# Allegro board LAY-29615_B4.brd (continued)
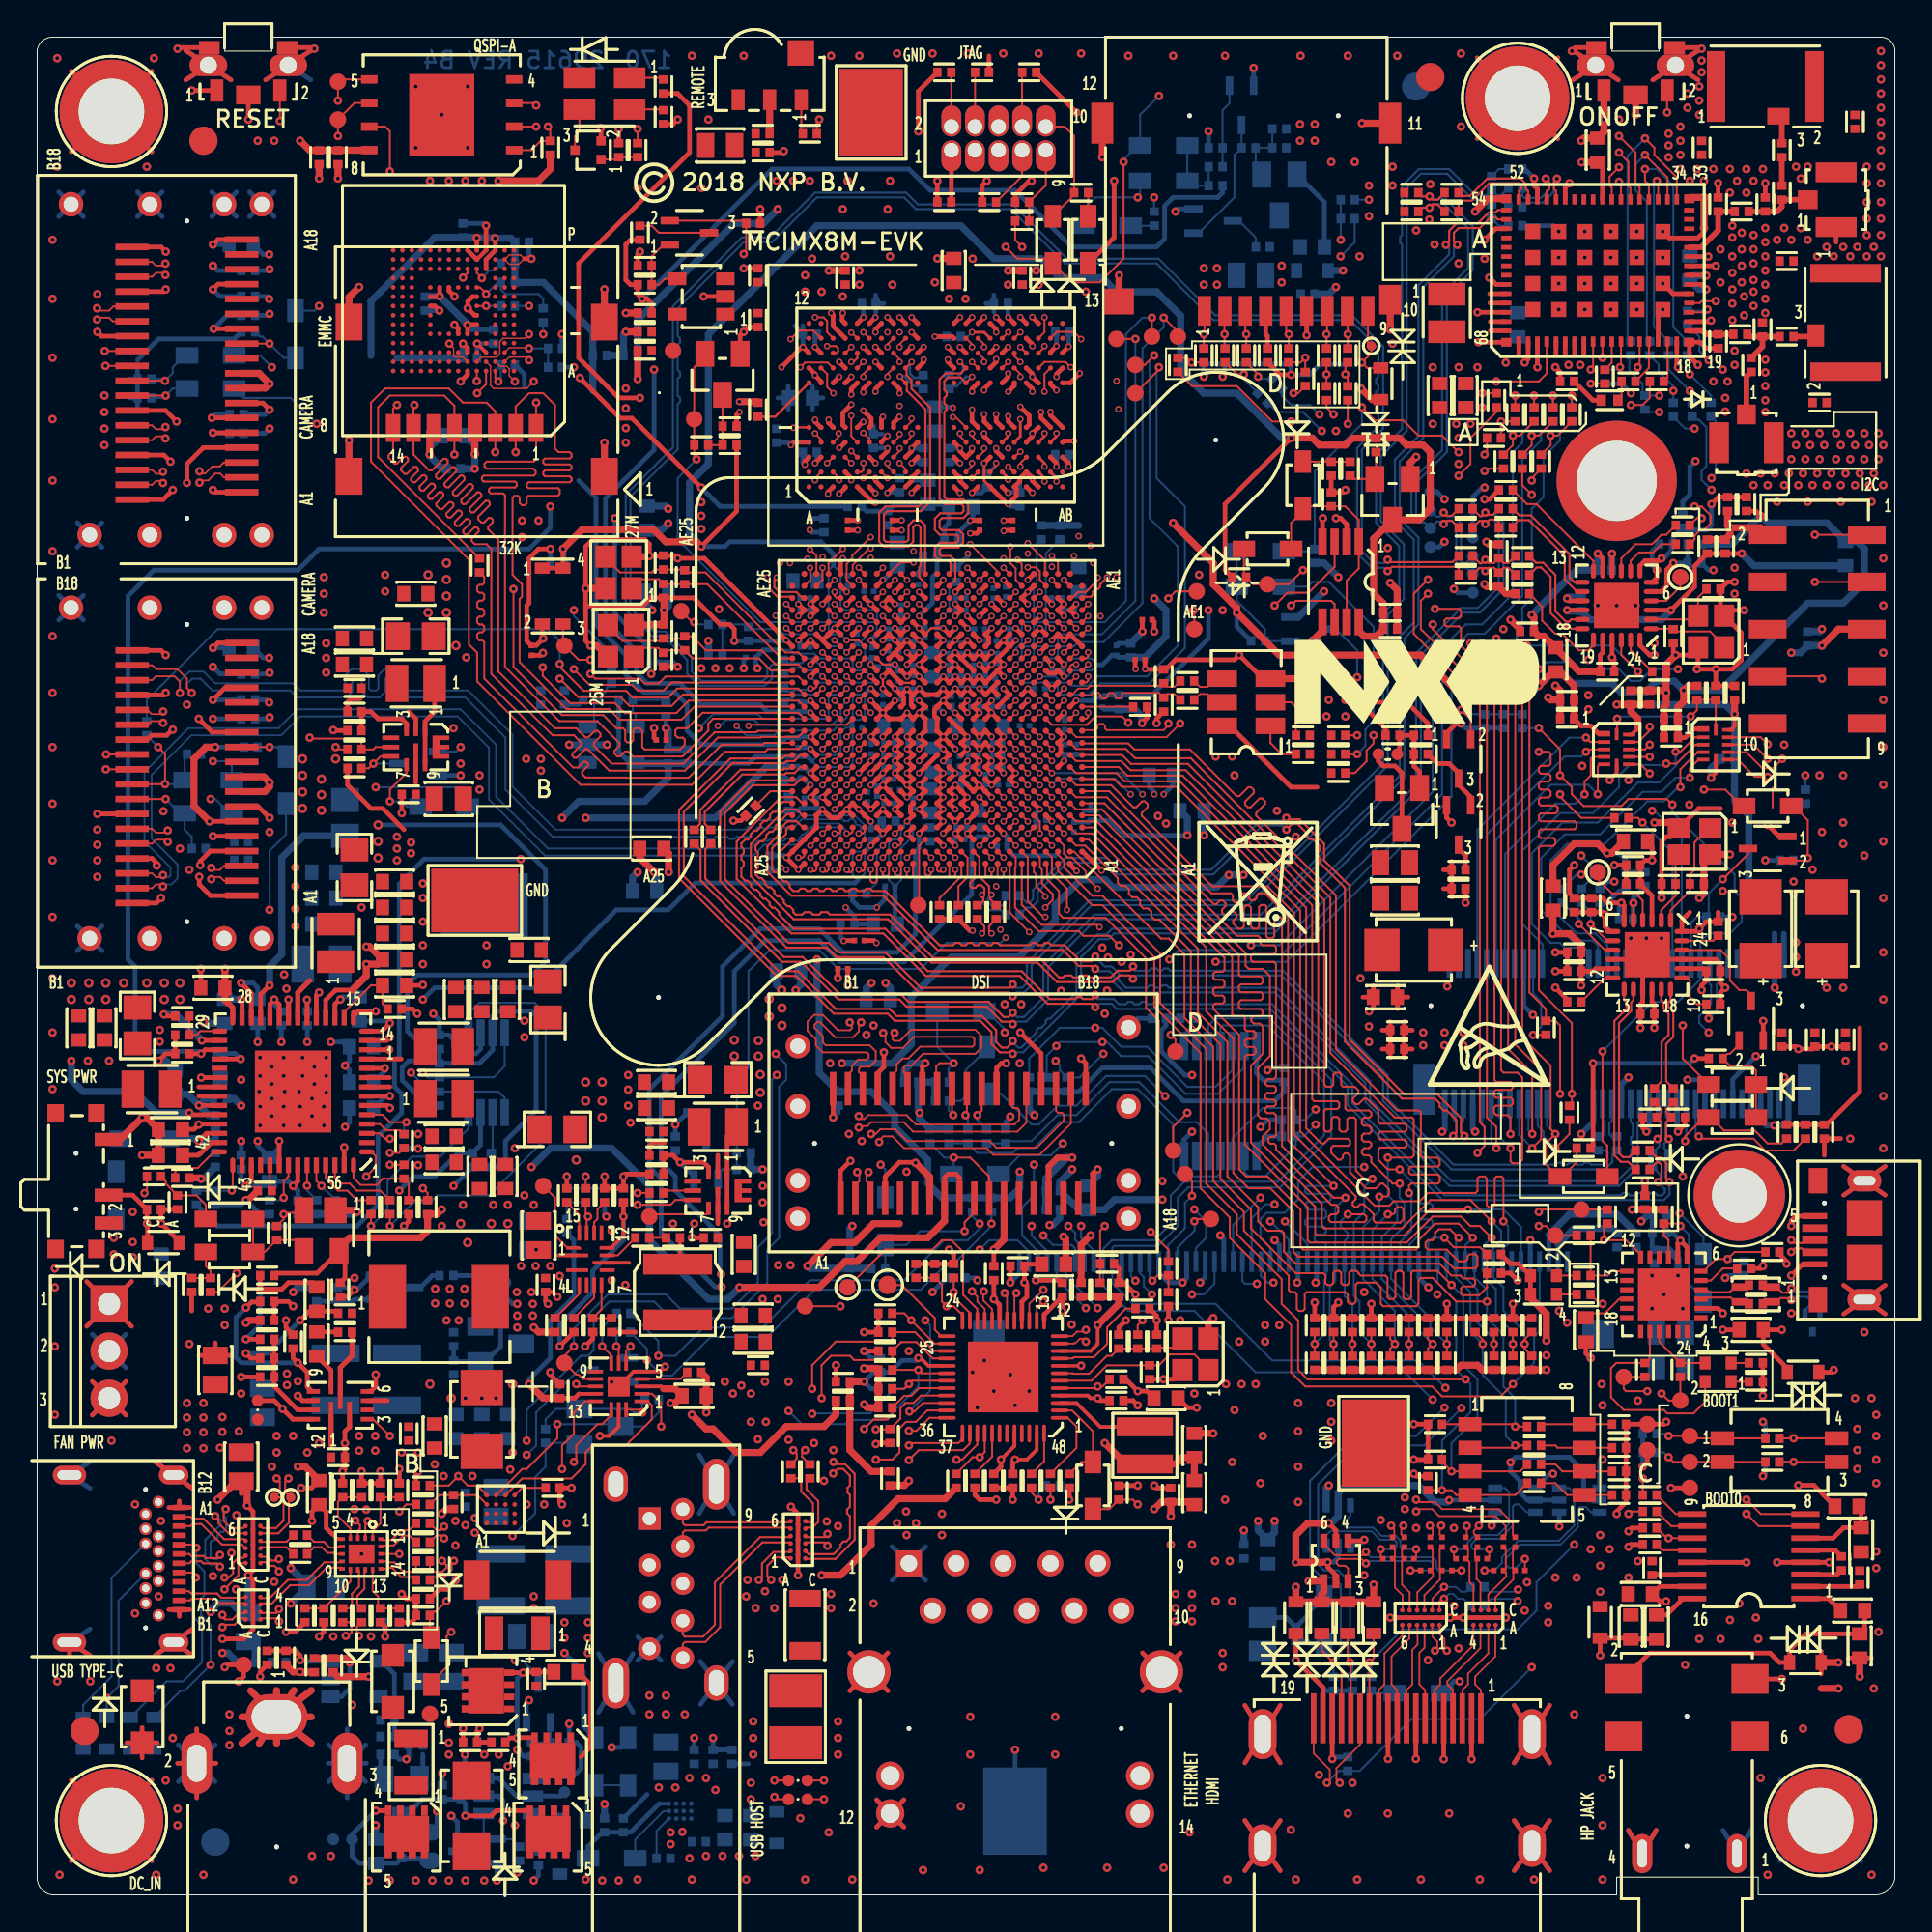
[diagram p0: board, top side]
## Routing (per net, layer and track width the routed paths; a pad name or vN(x,y) marks a point on that pad's centre or on a via; arc(x,y) is an arc through that point) (continued)
  TOP w0.107: R716.2 13.27,36.38 v1(13.27,36.64) 13.36,36.72 14.23,36.72 U704.2 ; v1(14.67,62.29) 14.72,62.24 17.26,62.24 17.46,62.05 R754.2 18.1,61.66 18.22,61.78 U705.5
  L6_INT_2 w0.076: v1(13.27,36.64) 13.27,36.89 9.84,40.32 9.84,46.16 10.6,46.93 12.89,46.93 14.03,48.07 14.03,48.7 15.3,49.97 15.3,56.07 14.79,56.58 14.79,62.17 v1(14.67,62.29)
N103653503: length 2.5
  TOP w0.107: R717.1 C726.2 9.33,33.59 9.08,33.84 D702.C
N103653528: length 3.9
  TOP w0.107: R713.2 6.92,38.41 6.92,38.28 C721.1 8.58,37.65 9.08,37.15 D701.C
N103709276: length 9.4
  BOTTOM w0.254: R761.1 23.81,33.34 C781.2 24.19,32.45 24.95,31.69 24.95,29.53 24.13,28.7 Q701.1 22.47,28.7 C799.2 R712.2
N103766552: length 21.2
  TOP w0.107: v1(86.8,60.36) 86.31,60.86 U1402.7 ; R1445.1 79.95,75.88 v1(80.45,75.37)
  L8_INT_3 w0.076: v1(86.8,60.36) 87.26,60.82 87.26,65.9 86.55,66.61 86.55,68.01 85.53,69.02 85.53,69.66 84.26,70.93 83.88,70.93 80.45,74.36 v1(80.45,75.37)
N103766554: length 20.7
  TOP w0.107: v1(86.8,61.91) 86.55,61.66 U1402.9 ; v1(77.91,76.64) 78.05,76.78 R1443.1
  L8_INT_3 w0.076: v1(77.91,76.64) 79.44,75.12 79.44,74.04 83.5,69.97 83.5,69.28 85.69,67.09 85.69,65.44 86.3,64.83 86.3,62.42 v1(86.8,61.91)
N103766556: length 23.5
  TOP w0.107: U1402.8 v1(86.8,61.26) ; R1444.1 78.05,77.67 v1(77.91,77.53)
  L8_INT_3 w0.076: v1(86.8,61.26) 85.97,62.09 85.97,64.53 85.28,65.21 85.28,66.86 83.12,69.02 83.12,69.79 79.56,73.34 77.79,73.34 77.41,73.72 77.41,77.02 v1(77.91,77.53)
N103766558: length 18.7
  TOP w0.107: v1(80.45,76.14) 80.45,76.26 80.96,76.77 R1442.1 ; v1(86.8,62.88) 86.8,62.67 86.19,62.06 U1402.10
  L8_INT_3 w0.076: v1(86.8,62.88) 86.8,65.85 86.12,66.53 86.12,67.42 84.52,69.02 84.52,69.66 79.95,74.23 79.95,75.63 v1(80.45,76.14)
N103794018: length 4.2
  TOP w0.107: J1502.A11 v1(12.51,83.51)
  BOTTOM w0.107: R1505.2 11.99,83.88 12.13,83.88 v1(12.51,83.51) 13.27,82.74 D1503.A
N103794466: length 4.5
  TOP w0.107: J1502.B9 v1(6.89,81.51)
  BOTTOM w0.107: R1507.2 6.79,81.6 v1(6.89,81.51) 7.3,81.92 7.3,82.23 7.94,82.87 D1506.A
N103794467: length 3.9
  TOP w0.107: J1502.B8 v1(6.92,80.7)
  BOTTOM w0.107: R1506.2 6.79,80.58 v1(6.92,80.7) 7.3,81.09 D1502.A
N103805249: length 7.5
  TOP w0.107: v1(6.52,61.79) 6.89,61.42 v1(6.89,59.79) J1503.B9
  BOTTOM w0.107: v1(6.89,59.79) 7.85,59.79 7.94,59.88 D1507.A 7.94,61.27 R1510.2 ; v1(6.52,61.79) 5.9,62.4 R1530.1
N103805251: length 5.2
  TOP w0.107: J1503.B8 v1(6.92,58.99)
  BOTTOM w0.107: v1(6.92,58.99) 7.68,58.23 D1505.A 7.94,57.34 8.32,56.95 R1509.2
N103805253: length 3.2
  TOP w0.107: J1503.A11 v1(12.51,61.79)
  BOTTOM w0.107: R1508.2 12.5,61.78 v1(12.51,61.79) 12.89,61.79 D1504.A
N103823981: length 24.4
  TOP w0.107: U1403.9 92.39,61.91 v1(93.15,61.15)
  L8_INT_3 w0.076: v1(93.15,61.15) 92.39,61.91 92.39,67.37 89.34,70.42 89.34,72.07 88.71,72.71 88.71,74.87 88.84,74.99 88.84,78.29 v1(87.31,79.82)
  BOTTOM w0.107: v1(87.31,79.82) 86.68,79.82 R1447.1
N103823983: length 24.2
  TOP w0.107: U1403.8 92,61.51 92.87,60.64 93.43,60.64 v1(93.94,61.15)
  L8_INT_3 w0.076: v1(90.13,75.63) 90.61,75.15 90.61,74.74 92.89,72.47 92.89,63.19 93.61,62.47 93.61,61.48 v1(93.94,61.15)
  BOTTOM w0.107: v1(90.13,75.63) 89.6,76.16 89.6,76.64 89.85,76.9 89.85,79.01 89.45,79.41 89.25,79.41 R1448.1
N103823994: length 22.3
  TOP w0.107: U1403.10 92.78,62.31 v1(93.15,61.94)
  L6_INT_2 w0.076: v1(93.15,61.94) 93.15,72.71 91.12,74.74 91.12,76.39 90.56,76.95 90.56,77.58 v1(89.22,78.93)
  BOTTOM w0.107: v1(89.22,78.93) 88.71,78.93 88.07,79.56 R1446.1
N103823996: length 24.8
  TOP w0.107: v1(93.15,60.18) 92.47,60.18 91.54,61.11 U1403.7
  L8_INT_3 w0.076: v1(93.15,60.18) 93.59,60.18 94.55,61.15 94.55,62.55 93.47,63.63 93.47,72.39 91.38,74.48 91.38,75.02 v1(90.13,76.26)
  BOTTOM w0.107: v1(90.13,76.26) 90.36,76.49 90.36,79.32 R1449.1
N103824335: length 15.3
  TOP w0.107: U1402.12 85.05,62.51 v1(85.05,63.31) ; v1(89.01,63.44) 89.34,63.77 R1450.2 R1451.1 U1403.12 ; D1403.A 91.76,58.61 90.87,59.5 v1(89.72,59.5)
  L8_INT_3 w0.076: v1(89.01,63.44) 89.47,62.98 89.47,59.75 v1(89.72,59.5)
  BOTTOM w0.107: v1(89.01,63.44) 85.18,63.44 v1(85.05,63.31)
N103937829: length 2.2
  TOP w0.107: R732.2 29.98,32.13 U706.6
N103959207: length 4.5
  BOTTOM w0.254: R933.1 R902.2 19.23,11.88 18.54,12.57 U909.4
N104086960: length 1.9
  TOP w0.127: U101.V18 45.53,66.23 v2(46.18,66.23)
  BOTTOM w0.254: C146.2 45.93,66.23 v2(46.18,66.23) 46.32,66.09 L104.2
N104210444: length 18
  TOP w0.107: v1(62.24,69.14) 62.29,69.09 TP201.1 ; U101.AB14 v2(47.48,69.48)
  L6_INT_2 w0.076: v1(62.24,69.14) 59.75,69.14 58.46,67.86 55.76,67.86 55.6,68.02 55.6,68.97 55.4,69.16 47.8,69.16 v2(47.48,69.48)
N104210445: length 15.6
  TOP w0.107: v1(60.9,69.79) 61.28,70.17 TP202.1 ; U101.AC13 v2(48.77,70.13)
  L8_INT_3 w0.076: v2(48.77,70.13) 49.09,69.82 49.09,69.35 49.29,69.15 56.83,69.15 57.97,70.29 60.39,70.29 v1(60.9,69.79)
N104227606: length 3.5
  BOTTOM w0.107: D904.C 32.19,2.98 33.72,4.51 U905.A2
N104229370: length 2.4
  BOTTOM w0.107: R937.1 33.34,3.44 U905.A3
N104238302: length 1.9
  TOP w0.107: R1622.2 33.62,97.81 D1601.1
N104270741: length 7
  BOTTOM w0.254: 81.38,35.53 J1801.3
  BOTTOM w0.381: R1804.1 85.05,36.64 82.49,36.64 81.38,35.53
N104271750: length 3
  TOP w0.107: v1(60.03,33.06) 60.31,33.34 R1802.1 R1803.1
  BOTTOM w0.107: J1801.46 59.88,33.21 v1(60.03,33.06)
N104279466: length 2.9
  TOP w0.107: v1(83.63,52.26) 84.53,51.36 U1401.8
  BOTTOM w0.107: R1452.2 83.63,52.9 v1(83.63,52.26)
N104279469: length 3.9
  TOP w0.107: U1401.9 84.4,50.86 v1(82.99,52.26)
  BOTTOM w0.107: v1(82.99,52.26) 82.99,52.52 R1453.2
N104332864: length 3
  TOP w0.107: Y501.2 67.5,64.2 67.76,63.94 R509.2
N104367931: length 3.4
  BOTTOM w0.107: U703.4 32.22,63.54 32.06,63.7 R758.1 33.71,64.32 R759.1
N104519577: length 4.2
  TOP w0.107: R418.1 R407.1 54.29,92.01 54.3,92.01 54.3,93.91 J401.9
N104595634: length 9
  TOP w0.102: R1012.2 v1(73.93,17.46) ; v1(71.53,17.84) 71.29,18.08 70.07,18.08 69.96,17.97 69.96,17.83 70.07,17.72 70.42,17.72 70.56,17.57 Q1001.3
  BOTTOM w0.102: v1(73.93,17.46) 75.02,17.46 75.12,17.56 75.12,17.84 74.99,17.97 71.65,17.97 v1(71.53,17.84)
N104595636: length 9
  TOP w0.102: v1(71.53,18.45) 71.36,18.29 69.85,18.29 69.26,18.87 Q1001.6 ; v1(76.67,17.46) R1013.2
  BOTTOM w0.102: v1(76.67,17.46) 75.45,17.46 75.32,17.59 75.32,17.93 75.08,18.17 71.81,18.17 v1(71.53,18.45)
N104595703: length 6.4
  TOP w0.102: v1(72.33,18.6) 72.33,18.21 R1014.2
  BOTTOM w0.102: v1(72.33,18.6) 73.08,18.6 73.18,18.71 73.18,18.99 73.05,19.11 72.29,19.11 71.84,19.57 69.61,19.57 69.39,19.35 Q1002.3
N104595705: length 6.4
  TOP w0.102: R1015.2 74.23,18.21 v1(74.23,18.6)
  BOTTOM w0.102: Q1002.6 70.69,20.4 70.34,20.05 70.34,19.9 70.47,19.77 71.92,19.77 72.38,19.32 73.13,19.32 73.38,19.07 73.38,18.71 73.48,18.6 v1(74.23,18.6)
N104599354: length 9.2
  TOP w0.102: v1(77.91,17.46) R1016.2
  BOTTOM w0.102: Q1003.3 82.47,21.9 82.74,21.63 82.74,19.87 81.93,19.06 79.73,19.06 78.85,18.18 78.85,17.87 78.45,17.46 v1(77.91,17.46)
N104599356: length 9.1
  TOP w0.102: R1017.2 v1(80.09,18.08)
  BOTTOM w0.102: Q1003.6 83.64,20.6 83.37,20.87 83.04,20.87 82.94,20.77 82.94,19.79 82.01,18.86 79.82,18.86 79.06,18.1 79.06,17.79 79.23,17.61 79.61,17.61 v1(80.09,18.08)
N104599400: length 6.8
  TOP w0.102: v1(76.26,18.6) 76.26,18.21 R1018.2
  BOTTOM w0.102: Q1004.3 79.02,21.9 79.23,21.68 79.23,19.96 78.64,19.37 77.41,19.37 77,18.96 77,18.71 76.9,18.6 v1(76.26,18.6)
N104599402: length 6.8
  TOP w0.102: R1019.2 78.17,18.21 v1(78.17,18.6)
  BOTTOM w0.102: Q1004.6 80.19,20.6 79.77,21.02 79.56,21.02 79.44,20.9 79.44,19.87 78.73,19.16 77.49,19.16 77.2,18.88 77.2,18.71 77.3,18.6 v1(78.17,18.6)
N104602033: length 1.3
  BOTTOM w0.107: R1007.1 71.95,10.86 D1003.C
N104641222: length 4.2
  TOP w0.107: C1324.1 89.41,69.84 Y1301.3 89.2,68.65 U1302.2
N104641229: length 6.8
  BOTTOM w0.107: Q1301.2 66.11,67.49 R1342.2 66.1,68.14 64.58,69.66 64.58,72.33
N104641254: length 3.3
  TOP w0.107: R1326.2 87.44,72.71 86.99,72.26 86.23,72.26 85.78,71.81 U1302.8
N104641256: length 4.3
  TOP w0.107: U1302.9 85.28,71.94 86.04,72.71 86.93,72.71 87.44,73.21 87.7,73.21 R1327.2
N104641294: length 8.7
  TOP w0.254: U1302.7 86.28,71.54 86.55,71.82 87.31,71.82 v1(87.44,71.94) ; v1(90.13,74.87) 90.51,75.24 C1315.1 R1347.2
  BOTTOM w0.254: v1(90.13,74.87) 90.13,73.72 89.88,73.47 88.72,73.47 R1346.2 88.07,73.09 C1316.1 87.97,72.61 87.97,72.35 87.57,71.94 v1(87.44,71.94)
N104641488: length 13.6
  TOP w0.254: U1302.11 84.28,71.93 v1(84.01,72.2) ; C1318.1 84.14,66.74 84.28,66.88 U1302.20
  TOP w0.381: v1(80.45,68.9) 80.57,68.78 C1317.1 80.83,67.75 81.1,67.75 L1306.2 83.01,65.85 C1318.1
  BOTTOM w0.381: v1(84.01,72.2) 84.02,72.19 C1319.1 82.87,71.31 v1(80.45,68.9)
N104641498: length 4.4
  TOP w0.107: Y1301.1 90.81,67.26 90.06,68.01 88.19,68.01 C1323.1 88.05,68.16 U1302.1
N104641573: length 19.5
  TOP w0.254: v1(82.36,69.16) U1302.16 ; v1(91.76,72.21) C1321.1 C1322.1 89.22,71.52 89.22,70.42 v1(87.95,69.15) 87.94,69.16 U1302.3
  BOTTOM w0.381: v1(82.36,69.16) 82.41,69.11 C1320.1 83.58,68.64 87.44,68.64 v1(87.95,69.15) ; v1(91.76,72.21) 92.41,71.55 L1307.1
N104641614: length 6.1
  TOP w0.114: R1331.1 79.79,74.26 80.41,74.26 82.49,72.18 82.49,70.92 82.75,70.65 U1302.13
N104641616: length 2.4
  TOP w0.107: TP1301.1 88.45,70.42 87.69,69.65 U1302.4
N104641618: length 6.3
  TOP w0.114: R1332.1 79.43,73.69 79.74,74 80.3,74 82.23,72.07 82.23,70.81 82.89,70.16 U1302.14
N104641620: length 5.5
  TOP w0.114: R1333.1 80.69,71.71 81.07,71.71 81.72,71.06 81.72,69.11 82.3,68.53 82.46,68.53 82.58,68.65 U1302.17
N104641622: length 5.5
  TOP w0.114: R1334.1 80.72,71.45 80.97,71.45 81.47,70.95 81.47,69 82.19,68.28 82.46,68.28 82.58,68.16 U1302.18
N104641742: length 5.6
  TOP w0.107: U1302.19 83.78,67.27 83.5,66.99 82.99,66.99 82.1,67.88 81.72,67.88 81.01,68.59 81.01,69.35 R1329.2
N104641744: length 6.5
  TOP w0.107: U1302.12 83.78,71.8 80.71,74.87 80.19,74.87 R1328.2
N104641776: length 2.2
  TOP w0.107: R1330.2 85.78,67.01 U1302.23
N104763313: length 4.1
  TOP w0.254: U1302.5 87.43,70.16 87.72,70.45 87.72,71.34 v1(88.07,71.69)
  BOTTOM w0.254: v1(88.07,71.69) R1345.2 R1344.2
N104764716: length 3
  TOP w0.107: U1401.5 v1(85.93,53.39)
  BOTTOM w0.254: R1454.2 85.93,53.68 v1(85.93,53.39) 85.91,53.37 R1455.2
N104960202: length 2.9
  BOTTOM w0.107: R762.2 30.67,64.97 30.67,64.84 R760.2 29.98,64.15 29.98,63.13 29.72,62.86 U703.3
N104978637: length 1.6
  BOTTOM w0.254: Q702.3 20.64,32.7 21.27,33.34 R761.2
N105003630: length 1.5
  TOP w0.254: Q1404.3 76.52,56.32 76.89,55.95 R1462.2
N105003644: length 4.8
  TOP w0.254: 73.21,61.4 73.34,61.52 C1441.2 R1460.2 R1461.1 74.11,60.76 74.42,60.45 Q1402.1
N105003650: length 4.1
  TOP w0.254: R1461.2 75.37,60.9 76.01,60.9 76.52,60.39 Q1403.3 76.52,59.75 77.17,59.1 Q1404.2
N105003668: length 5.2
  TOP w0.107: v1(76.64,63.79) 77.17,63.27 Q1403.2
  BOTTOM w0.107: v1(76.64,63.79) 76.88,63.56 C1439.1 R1458.1 R1459.2
N105090550: length 4.9
  TOP w0.107: v1(80.53,46.29) 80.53,46.3 R1441.1
  BOTTOM w0.107: J1401.20 80.53,48.51 80.96,48.07 80.96,46.73 v1(80.53,46.29)
N105095140: length 2.1
  BOTTOM w0.114: J1401.35 84.28,41.71 84.38,41.6 84.38,40.94 84.27,40.82 C1421.2
N105095143: length 2.1
  BOTTOM w0.114: J1401.37 84.78,41.67 84.63,41.53 84.63,40.94 84.75,40.82 C1420.2
N105095283: length 9.1
  TOP w0.107: v1(86.42,57.72) 86.16,57.97 R1438.1
  BOTTOM w0.107: J1401.50 88.03,56.11 v1(86.42,57.72)
N105218199: length 10.4
  TOP w0.381: v1(46.93,22.29) 46.68,22.04 R1227.2
  L8_INT_3 w0.381: v1(46.93,22.29) 45.66,21.02 45.66,16.7 47.05,15.3 J1201.2
N105359085: length 8.9
  TOP w0.254: R918.1 R943.2 23.68,8.82 v1(23.81,8.95)
  L6_INT_2 w0.254: v1(23.81,8.95) 23.56,8.7 23.56,5.52 v1(22.29,4.25)
  BOTTOM w0.254: Q903.3 22.63,3.92 v1(22.29,4.25)
N105570556: length 7.8
  TOP w0.107: Q1405.3 92.09,56.03 v1(90.74,54.67)
  BOTTOM w0.107: J1401.54 89.03,52.32 89.34,52.64 R1437.2 89.98,52.76 89.98,53.91 v1(90.74,54.67)
N105650032: length 15.4
  TOP w0.107: v1(86.55,94.55) 87.06,94.04 87.06,93.66 88.26,92.46 U1301.35
  BOTTOM w0.107: R1315.2 85.61,83.8 85.61,93.61 v1(86.55,94.55)
N105650042: length 13.5
  TOP w0.107: U1301.36 87.76,92.45 v1(86.55,93.66)
  BOTTOM w0.107: v1(86.55,93.66) 86.04,93.15 86.04,91.76 86.65,91.15 86.65,83.78 R1314.2
N105650060: length 10.1
  TOP w0.107: U1301.37 87.26,92.19 v1(87.18,92.26)
  BOTTOM w0.107: v1(87.18,92.26) 87.03,92.11 87.03,84.41 R1313.2
N105650062: length 12.3
  TOP w0.107: U1301.38 86.76,92.05 86.55,92.26 v1(86.55,92.9)
  BOTTOM w0.107: v1(86.55,92.9) 87.18,92.9 88.07,92.01 88.07,84.38 R1312.2
N105650269: length 15.5
  TOP w0.107: v1(85.15,92.21) 85.26,92.11 U1301.41 ; v1(82.61,80.71) R1319.2
  L8_INT_3 w0.076: v1(85.15,92.21) 85.2,92.16 85.2,83.81 84.75,83.35 84.75,81.83 83.63,80.71 v1(82.61,80.71)
  BOTTOM w0.107: R1319.2 v1(82.61,80.71)
N105650335: length 22.5
  TOP w0.107: v1(85.15,94.68) 86.04,93.79 86.04,92.14 86.26,91.92 U1301.39 ; R1317.2 v1(80.58,80.71)
  L8_INT_3 w0.076: v1(85.15,94.68) 84.14,93.66 84.14,92.65 83.12,91.63 81.98,91.63 79.56,89.22 79.56,81.72 v1(80.58,80.71)
  BOTTOM w0.107: R1317.2 v1(80.58,80.71)
N105651086: length 2.2
  TOP w0.107: U1301.17 87.76,81.67 R1305.2
N105661554: length 1.7
  TOP w0.254: U1301.67 78.22,84.19 ; U1301.66 78.21,84.69
N105661568: length 1.8
  TOP w0.254: U1301.63 78.19,86.19 ; U1301.64 78.2,85.69
N105661695: length 22.7
  TOP w0.107: U1301.40 85.76,91.88 85.66,91.98 85.66,93.28 v1(85.15,93.79) ; R1316.2 v1(79.56,80.71)
  L8_INT_3 w0.076: v1(79.56,80.71) 80.02,80.25 83.81,80.25 84.26,80.71 84.77,80.71 85.66,81.6 85.66,93.28 v1(85.15,93.79)
N105706707: length 1.7
  TOP w0.107: U1301.11 84.76,82.47 R1321.2
N105706864: length 2.4
  TOP w0.107: R1350.2 86.76,82.19 U1301.15
N105706866: length 1.1
  TOP w0.107: D1301.C 85.29,80.65 R1350.1
N105714351: length 1.6
  BOTTOM w0.107: Q704.3 36,41.84 R764.2
N105738540: length 1.1
  BOTTOM w0.107: L1309.2 78.68,92.9 C1328.1
N105738554: length 1.1
  BOTTOM w0.107: C1329.1 78.68,89.85 L1308.2
N105742342: length 2.3
  TOP w0.107: v1(85.2,82.23) 85.26,82.29 U1301.12
  BOTTOM w0.107: v1(85.2,82.23) 85.07,82.1 R1356.2
N105916681: length 2.2
  TOP w0.107: v1(89.92,85.34) 89.76,85.19 U1301.22
  BOTTOM w0.107: v1(89.92,85.34) 89.85,85.27 R1320.2
N105946737: length 12.6
  TOP w0.107: U1301.14 86.26,82.33 v1(86.16,82.23) ; R1351.2 v1(77.79,80.83)
  L6_INT_2 w0.076: v1(77.79,80.83) 77.79,81.85 79.18,83.25 85.14,83.25 v1(86.16,82.23)
N106048338: length 7.7
  TOP w0.254: Q909.4 v1(26.15,11.96) 26.18,11.99 R919.1 27.8,11.99 C935.2 ; Q908.4 25.87,8.47 v1(25.84,8.44) 25.43,8.44 R918.2
  BOTTOM w0.254: v1(25.84,8.44) 25.84,11.66 v1(26.15,11.96)
N106073648: length 1.4
  BOTTOM w0.254: R942.1 18.48,6.43 Q902.1
N106076307: length 4.7
  BOTTOM w0.107: U910.6 26.68,2.65 C933.1 27.66,2.34 D910.C 28.24,2.93 R947.2
N106079136: length 2.8
  BOTTOM w0.107: U910.4 26.97,6.27 27.62,6.92 R946.2 R936.1
N106113334: length 1.3
  BOTTOM w0.107: R1436.1 60.13,89.85 D1405.A
N106166151: length 3.1
  BOTTOM w0.254: v1(21.53,4.51) 21.53,3.75 C937.1 20.89,3.36 20.25,2.72 R948.1
N106166194: length 8.2
  TOP w0.254: Q910.4 v1(18.22,4.53)
  BOTTOM w0.254: v1(18.22,4.53) 16.95,3.26 R949.1 16.95,2.1 17.35,1.7 C936.2 19.35,1.7 R948.2 21.01,1.97 C937.2
N106168740: length 3.9
  BOTTOM w0.107: D902.C D903.C 29.54,5.41 R947.1
N106625744: length 1.7
  BOTTOM w0.107: R1529.2 62.17,47.06 62.17,46.8 61.74,46.37 U1501.8
N106628163: length 2.2
  BOTTOM w0.107: R1528.2 24.52,40.01 U1502.6

## Copper pours and planes (outline as drawn; the poured copper is in the pictures)
GND on TOP: 81.47,15.94 80.45,15.94 80.2,16.19 80.2,17.84 80.58,18.22 88.07,18.22 88.2,18.1 90.23,18.1 90.49,18.35 90.49,19.11 90.74,19.37 93.66,19.37 93.92,19.11 93.92,18.22 94.04,18.1 96.58,18.1 96.71,17.97 96.71,17.84 96.58,17.72 94.17,17.72 93.92,17.46 93.92,13.78 93.53,13.4 88.71,13.4 88.45,13.65 88.45,14.79 88.71,15.05 90.11,15.05 90.49,15.43 90.49,17.46 90.23,17.72 86.55,17.72 86.42,17.59 86.42,14.92 86.17,14.67 84.9,14.67 84.39,15.18 82.23,15.18
GND on TOP: 31.81,33.21 31.81,31.71 31.65,31.55 30.84,31.55 30.72,31.67 30.72,33.39 30.63,33.48 30.1,33.48 30.06,33.52 30.06,33.73 30.1,33.76 31.27,33.76
GND on TOP: 14.29,28 14.29,26.86 14.41,26.73 15.3,26.73 15.36,26.68 15.36,26.5 15.31,26.45 14.29,26.45 14.08,26.45 13.18,27.35 13.18,28.16 13.29,28.26 14.03,28.26
GND on TOP: 0.57,23.56 0.57,33.59 0.82,33.84 7.43,33.84 7.68,33.59 7.68,32.07 7.94,31.81 10.48,31.81 10.73,31.56 10.73,28.76 10.48,28.51 7.56,28.51 7.17,28.13 7.17,24.07 8.32,22.92 11.62,22.92 11.87,22.67 11.87,21.14 11.49,20.76 9.46,20.76 9.33,20.64 7.17,20.64 7.05,20.51 5.4,20.51 4.76,21.14 4.76,22.92 4.38,23.3 0.82,23.3
GND on TOP: 16.83,65.72 16.95,65.59 16.95,64.83 16.83,64.71 15.3,64.71 15.18,64.83 15.18,71.06 15.56,71.44 20,71.44 20.13,71.31 20.13,69.53 20,69.4 17.59,69.4 16.83,68.64
GND on TOP: 43.62,9.59 43.88,9.33 43.88,6.79 43.75,6.67 38.42,6.67 38.29,6.79 38.29,9.46 38.42,9.59
GND on TOP: 20.38,41.34 21.53,41.34 21.65,41.21 21.65,38.92 21.53,38.8 20.38,38.8 20.26,38.92 20.26,41.21
GND on TOP: 97.73,45.91 97.85,45.78 97.85,43.5 96.2,41.85 93.66,41.85 93.41,42.1 93.41,45.66 93.66,45.91
GND on TOP: 29.78,71.18 30.03,70.93 31.05,70.93 31.18,70.8 31.18,69.28 31.05,69.15 29.91,69.15 29.78,69.02 29.78,67.75 30.16,67.37 31.18,67.37 31.3,67.25 31.3,65.98 31.18,65.85 30.29,65.85 30.16,65.98 30.16,66.48 29.91,66.74 29.4,66.74 29.02,67.12 29.02,72.33 29.78,73.09 32.96,73.09 33.21,72.83 33.21,71.69 32.96,71.44 31.56,71.44 31.43,71.56 31.43,72.58 31.18,72.83 29.91,72.83 29.78,72.71
GND on TOP: 74.61,80.45 77.91,80.45 78.04,80.33 78.04,79.69 77.15,78.8 74.74,78.8 74.48,79.06 74.48,80.33
GND on TOP: 20.51,49.97 19.62,49.97 19.49,50.1 19.49,55.18 19.62,55.31 25.97,55.31 26.22,55.05 26.22,48.7 25.97,48.45 22.03,48.45
GND on TOP: 1.59,46.93 1.46,47.05 1.46,49.34 1.59,49.47 4.13,49.47 4.25,49.34 4.25,47.05 4.13,46.93
GND on TOP: 0.7,0.57 0.57,0.7 0.57,13.65 0.95,14.03 3.75,14.03 4,14.29 4,15.3 4.25,15.56 9.59,15.56 9.71,15.43 9.71,14.41 10.22,13.91 10.22,12.89 10.1,12.76 9.08,12.76 8.44,12.13 4.51,12.13 4.25,11.87 4.25,9.84 4.76,9.33 9.71,9.33 9.97,9.08 9.97,1.84 10.6,1.21 17.21,1.21 17.46,0.95 31.43,0.95 34.86,4.38 42.61,4.38 43.62,5.4 54.67,5.4 57.34,2.73 60.64,2.73 64.07,6.16 64.07,11.11 64.58,11.62 66.99,11.62 67.63,10.98 67.63,5.65 68.26,5.02 78.04,5.02 79.06,6.03 79.06,10.86 79.31,11.11 81.72,11.11 83.5,9.33 83.5,7.43 84.39,6.54 87.06,6.54 87.31,6.29 87.31,1.46 87.18,1.33 84.77,1.33 84.64,1.21 84.64,0.82 84.39,0.57
GND on TOP: 31.11,36.84 31.22,36.73 31.22,35.6 30.79,35.17 30.29,35.17 30.26,35.2 30.26,36.18 30.38,36.3 30.38,36.74 30.48,36.84
GND on TOP: 40.58,32.32 40.7,32.19 40.7,27.62 40.45,27.37 39.05,27.37 38.92,27.49 38.92,29.15 38.8,29.27 38.8,32.19 38.92,32.32
GND on TOP: 22.29,60.64 21.4,60.64 21.27,60.77 21.27,62.93 21.4,63.05 23.94,63.05 24.07,62.93 24.07,58.1 23.94,57.97 22.54,57.97 22.41,58.1 22.41,60.51 ; 2 cut-outs
GND on TOP: 26.48,38.42 27.62,37.27 27.62,35.88 27.49,35.75 26.48,35.75 26.35,35.88 26.35,36.13 25.72,36.77 22.41,36.77 22.03,37.15 22.03,38.04 22.41,38.42
GND on TOP: 20,12.25 19.87,12.13 18.35,12.13 17.46,13.02 15.81,13.02 15.56,13.27 15.56,13.91 15.81,14.16 16.06,14.16 16.57,13.65 17.33,13.65 17.84,14.16 19.75,14.16 20,13.91
GND on TOP: 20.64,24.7 20.76,24.57 22.41,24.57 22.8,24.95 25.84,24.95 25.97,24.83 25.97,23.18 25.08,22.29 23.3,22.29 22.92,22.67 21.27,22.67 20.89,23.05 20,23.05 19.62,22.67 19.11,22.67 18.6,23.18 16.45,23.18 16.32,23.3 16.32,25.21 16.7,25.59 16.7,26.61 16.95,26.61 16.95,25.34 17.21,25.08 18.99,25.08 19.37,24.7
GND on TOP: 97.73,18.86 98.49,18.86 98.87,19.24 98.87,21.4 97.73,22.54 97.73,25.84 97.09,26.48 97.09,28.51 95.31,30.29 95.31,32.7 95.44,32.83 96.33,32.83 96.96,33.46 96.96,37.27 96.58,37.65 95.06,37.65 94.93,37.78 94.93,39.81 95.31,40.19 96.58,40.19 96.84,40.45 96.84,41.34 98.74,43.24 98.74,52.13 98.36,52.51 91.25,52.51 90.99,52.77 89.72,52.77 89.47,52.51 88.71,52.51 88.58,52.64 88.58,53.28 89.22,53.91 90.11,53.91 90.23,54.04 90.23,55.05 90.36,55.18 90.74,55.18 90.99,55.43 90.99,58.1 90.87,58.23 88.96,58.23 88.71,58.48 88.71,59.5 89.72,60.51 91.63,60.51 92.46,59.69 93.34,59.69 94.55,60.9 94.55,71.82 94.17,72.2 92.26,72.2 91.88,72.58 91.88,73.6 92.14,73.85 93.03,73.85 93.15,73.98 93.15,75.37 92.9,75.63 90.87,75.63 88.45,78.04 88.45,81.47 88.07,81.85 88.07,82.87 88.2,82.99 89.47,82.99 89.6,83.12 89.6,83.37 89.72,83.5 93.15,83.5 93.28,83.37 93.28,80.71 95.82,80.71 95.82,79.95 94.42,79.95 94.42,79.44 98.11,79.44 98.11,79.95 96.07,79.95 96.07,80.71 98.11,80.71 98.11,81.47 95.44,81.47 95.44,82.49 99.63,82.49 99.63,81.34 99.25,81.34 99.25,79.31 99.63,79.31 99.63,39.94 99.76,39.81 99.76,28.76 99.38,28.38 99.38,17.46 99.12,17.21 97.73,17.21 97.6,17.33 97.6,18.73
GND on TOP: 37.27,33.21 37.27,34.23 37.4,34.35 40.83,34.35 40.96,34.23 40.96,33.34 40.7,33.08 37.4,33.08
GND on TOP: 73.98,26.86 74.36,26.48 74.36,21.91 74.1,21.65 69.15,21.65 67.25,19.75 67.25,18.99 66.99,18.73 63.56,18.73 63.18,19.11 63.18,26.22 63.82,26.86
GND on TOP: 24.7,21.27 25.84,21.27 26.22,21.65 26.86,21.65 26.99,21.53 28.38,21.53 28.51,21.65 28.51,22.03 28.64,22.16 29.15,22.16 29.27,22.03 29.27,20.64 29.15,20.51 27.11,20.51 26.8,20.82 24.64,20.82 24.57,20.89 24.57,21.14
GND on TOP: 55.31,71.06 55.31,73.09 55.56,73.34 57.21,73.34 57.34,73.21 57.34,71.56 56.83,71.06 56.83,70.67 56.45,70.29 56.07,70.29
GND on TOP: 33.08,44.51 33.08,41.59 33.21,41.46 33.21,40.83 33.08,40.7 31.56,40.7 31.43,40.83 31.43,44.51 31.56,44.64 32.96,44.64
GND on TOP: 98.23,97.98 98.23,95.57 97.47,95.57 97.47,97.98 96.2,97.98 96.2,95.44 95.19,95.44 95.19,99.63 96.2,99.63 96.2,99.25 98.87,99.25 98.87,99.63 99.25,99.63 99.63,99.25 99.63,86.8 95.44,86.8 95.44,87.69 94.3,87.69 94.3,88.33 95.44,88.33 95.44,88.84 93.28,88.84 93.28,88.33 94.04,88.33 94.04,87.57 93.28,87.57 93.28,84.64 93.15,84.52 90.74,84.52 90.36,84.9 90.36,87.18 89.98,87.57 89.72,87.57 89.6,87.69 89.6,88.2 90.87,89.47 90.87,89.98 90.99,90.11 94.04,90.11 94.17,90.23 98.23,90.23 98.23,92.14 94.42,92.14 94.42,93.28 97.47,93.28 97.47,95.31 98.23,95.31 98.23,93.28 98.74,93.28 98.74,97.98
GND on TOP: 0.7,42.99 0.57,43.12 0.57,99.25 0.7,99.38 7.17,99.38 7.43,99.63 9.97,99.63 9.97,99.12 12.76,99.12 12.76,99.63 16.32,99.63 16.7,99.63 16.95,99.38 74.1,99.38 74.23,99.5 84.64,99.5 84.64,99.12 87.44,99.12 87.44,99.63 90.87,99.63 90.87,95.44 89.98,95.44 89.98,94.17 89.22,94.17 89.22,95.44 88.71,95.44 88.71,93.28 89.22,93.28 89.22,93.92 89.98,93.92 89.98,93.28 93.41,93.28 93.41,91.12 89.6,91.12 89.47,91.25 89.47,91.76 89.22,92.01 88.96,92.01 87.44,93.53 87.44,94.3 86.42,95.31 83.25,95.31 82.61,94.68 82.61,93.28 82.23,92.9 74.48,92.9 73.85,92.26 73.85,90.23 74.48,89.6 74.48,88.96 74.99,88.45 76.9,88.45 77.79,89.34 78.17,89.34 78.29,89.22 78.29,87.69 78.17,87.57 73.47,87.57 73.09,87.95 73.09,91.38 71.82,92.65 71.82,96.96 71.31,97.47 56.96,97.47 55.69,98.74 48.07,98.74 46.8,97.47 46.8,91.63 48.07,90.36 51.12,90.36 51.62,89.85 51.62,88.71 52.26,88.07 54.04,88.07 54.16,87.95 54.16,87.31 54.04,87.18 52.13,87.18 51.62,87.69 48.2,87.69 47.69,87.18 42.48,87.18 42.35,87.31 42.35,93.15 42.61,93.41 42.61,97.09 41.97,97.73 38.67,97.73 38.42,97.47 38.42,96.07 38.16,95.82 36.64,95.82 36.51,95.69 36.51,91.25 36.13,90.87 35.11,90.87 34.86,91.12 34.86,92.77 35.5,93.41 35.5,97.22 34.1,98.61 30.42,98.61 30.16,98.36 30.16,97.34 29.91,97.09 26.99,97.09 26.61,97.47 24.57,97.47 24.19,97.09 24.19,93.28 23.94,93.03 20,93.03 19.62,93.41 19.62,97.85 19.11,98.36 15.18,98.36 14.79,97.98 12.64,97.98 12.13,97.47 12.13,96.33 12,96.2 8.44,96.2 7.56,95.31 7.56,93.92 2.48,88.84 2.48,75.88 3.87,74.48 3.87,68.64 2.73,67.5 2.73,53.78 4.25,52.26 4.25,47.56 3.62,46.93 1.46,46.93 1.21,46.67 1.21,43.12 1.08,42.99
GND on TOP: 44,16.57 44.13,16.45 44.13,15.3 43.88,15.05 38.16,15.05 37.91,15.3 37.91,16.32 38.16,16.57
GND on TOP: 95.82,13.27 99.25,13.27 99.38,13.14 99.38,10.6 99,10.22 95.95,10.22 95.69,10.48 95.69,13.14
GND on TOP: 41.46,70.93 40.83,70.29 40.45,70.29 40.19,70.55 40.19,70.93 39.69,71.44 39.69,71.94 39.94,72.2 41.46,72.2 41.59,72.07 41.59,71.69 41.46,71.56
GND on TOP: 37.65,36.77 37.53,36.89 37.53,39.18 37.65,39.31 39.43,39.31 39.56,39.18 39.56,36.89 39.43,36.77 ; 2 cut-outs
GND on TOP: 27.75,32.7 27.88,32.83 27.88,33.34 28.51,33.97 29.65,33.97 29.7,33.92 29.7,33.51 29.65,33.46 28.89,33.46 28.76,33.34 28.76,32.19 28,31.43 26.48,31.43 26.35,31.56 26.35,32.57 26.48,32.7
GND on TOP: 73.09,47.18 73.09,44.89 72.96,44.77 72.33,44.77 70.93,46.16 70.93,52.01 71.18,52.26 73.21,52.26 73.6,51.88 73.6,49.59 73.34,49.34 72.96,49.34 72.33,48.7 72.33,47.94
GND on BOTTOM: 40.83,71.94 41.08,71.69 41.08,69.79 41.21,69.66 41.21,68.9 41.08,68.77 39.31,68.77 38.54,69.53 38.54,71.69 38.8,71.94
GND on BOTTOM: 55.82,71.06 55.69,71.18 55.69,73.72 55.82,73.85 57.47,73.85 57.59,73.72 57.59,71.31 57.34,71.06
GND on BOTTOM: 44.77,69.28 44.13,69.91 44.13,70.55 43.88,70.8 43.5,70.8 43.37,70.93 43.37,73.47 43.75,73.85 44.39,73.85 44.51,73.98 47.69,73.98 47.94,73.72 47.94,71.94 47.81,71.82 47.31,71.82 46.93,72.2 45.66,72.2 45.15,71.69 45.15,71.06 44.64,70.55 44.64,69.91 45.02,69.53 45.02,69.4 44.89,69.28
GND on BOTTOM: 49.97,64.58 50.23,64.58 50.35,64.45 50.35,63.56 50.23,63.44 50.23,62.42 50.35,62.29 50.35,60.39 50.23,60.26 48.96,60.26 48.83,60.13 47.56,60.13 47.31,60.39 47.31,60.64 47.43,60.77 47.69,60.77 47.81,60.9 48.58,60.9 48.83,60.64 49.34,60.64 49.47,60.77 49.47,60.9 49.85,60.9 49.97,61.02 49.97,63.44 49.85,63.56 49.85,63.69 49.59,63.94 49.59,64.71 49.85,64.71
GND on BOTTOM: 53.53,70.67 53.4,70.55 52.64,70.55 52.26,70.17 51.24,70.17 50.86,70.55 50.86,72.2 51.12,72.45 53.28,72.45 53.53,72.2
GND on BOTTOM: 26.1,23.3 25.59,22.8 25.59,21.65 25.34,21.4 20.76,21.4 19.37,22.8 19.37,24.83 19.11,25.08 18.1,25.08 17.84,25.34 17.84,26.86 17.97,26.99 21.53,26.99 21.65,26.86 21.65,25.46 22.03,25.08 25.97,25.08 26.1,24.95
GND on BOTTOM: 50.23,67.75 50.23,67.37 50.1,67.25 48.83,67.25 48.58,67.5 47.69,67.5 47.56,67.37 46.8,67.37 46.54,67.12 46.54,66.79 46.49,66.74 46.25,66.74 46.22,66.78 46.22,67.19 46.16,67.25 45.53,67.25 45.4,67.37 45.4,67.63 45.53,67.75 46.93,67.75 47.05,67.88 50.1,67.88
GND on BOTTOM: 13.52,55.56 13.65,55.69 15.05,55.69 15.18,55.56 15.18,51.88 15.05,51.75 13.65,51.75 13.52,51.88
GND on BOTTOM: 85.03,85.15 84.64,84.77 77.15,84.77 77.02,84.9 77.02,86.17 77.66,86.8 77.66,89.22 77.79,89.34 80.45,89.34 80.58,89.47 80.58,90.23 80.83,90.49 84.77,90.49 85.03,90.23
GND on BOTTOM: 29.4,67.88 30.42,66.86 30.42,64.83 30.16,64.58 26.86,64.58 25.72,65.72 25.72,67.63 25.97,67.88
GND on BOTTOM: 40.83,82.23 40.83,80.07 40.58,79.82 38.92,79.82 37.65,81.09 37.65,84.01 38.8,85.15 41.08,85.15 41.46,84.77 41.46,82.87
GND on BOTTOM: 10.98,28.26 14.16,28.26 14.29,28.13 14.29,26.73 14.16,26.61 10.98,26.61 10.73,26.86 10.73,28
GND on BOTTOM: 0.7,0.57 0.57,0.7 0.57,30.54 0.63,30.61 0.57,30.67 0.57,99.25 0.7,99.38 7.17,99.38 7.43,99.63 9.97,99.63 9.97,99.12 12.76,99.12 12.76,99.63 16.32,99.63 16.7,99.63 16.95,99.38 74.1,99.38 74.23,99.5 84.64,99.5 84.64,99.12 87.44,99.12 87.44,99.63 99.25,99.63 99.63,99.25 99.63,39.81 99.5,39.69 96.58,39.69 96.46,39.81 96.46,47.05 97.85,48.45 97.85,53.66 95.06,56.45 93.79,56.45 92.77,57.47 92.77,58.86 92.39,59.24 92.39,64.32 94.23,66.17 95.76,66.17 98.87,69.28 98.87,73.72 97.98,74.61 91.5,74.61 90.74,75.37 90.74,79.56 90.61,79.69 90.61,80.83 89.22,82.23 89.22,82.49 89.72,82.99 89.72,84.77 90.36,85.41 90.36,87.31 89.85,87.82 88.58,87.82 88.33,88.07 88.33,92.39 87.44,93.28 87.44,94.68 87.06,95.06 84.77,95.06 83.25,93.53 77.53,93.53 77.02,94.04 72.58,94.04 71.82,94.8 71.82,96.96 71.31,97.47 66.86,97.47 66.23,98.11 63.56,98.11 62.55,97.09 48.58,97.09 47.31,95.82 47.31,94.04 46.8,93.53 38.67,93.53 35.75,90.61 22.03,90.61 21.14,89.72 5.52,89.72 2.48,86.68 2.48,75.88 4.38,73.98 4.38,48.7 4.63,48.45 4.63,47.05 4.51,46.93 1.59,46.93 1.21,46.54 1.21,42.23 1.46,41.97 1.46,34.73 1.21,34.48 1.21,28.38 1.97,27.62 5.65,27.62 6.16,27.11 6.16,23.56 6.67,23.05 7.94,23.05 8.89,22.1 8.89,21.08 8.44,20.64 6.29,20.64 3.49,17.84 3.49,11.75 1.84,10.1 1.84,8.44 2.09,8.19 6.92,8.19 7.05,8.32 7.05,9.46 7.56,9.97 12.38,9.97 13.14,10.73 13.14,12.76 13.27,12.89 13.78,12.89 13.91,12.76 13.91,12.38 14.03,12.25 14.54,12.25 14.79,12 16.19,12 16.32,11.87 16.32,11.37 16.19,11.24 15.18,11.24 15.05,11.11 15.05,10.22 15.3,9.97 16.83,9.97 17.84,8.95 18.48,8.95 18.6,8.83 18.6,8.32 18.48,8.19 18.22,8.19 17.97,7.94 17.97,5.02 16.19,3.24 16.19,2.09 17.08,1.21 27.49,1.21 27.75,1.46 28.64,1.46 28.89,1.21 33.72,1.21 33.84,1.33 33.84,3.36 34.23,3.75 34.23,4.13 34.35,4.25 35.37,4.25 35.5,4.13 35.5,1.71 35.88,1.33 40.58,1.33 40.96,1.71 40.96,3.11 40.19,3.87 38.04,3.87 37.91,4 37.91,8.32 37.4,8.83 36.13,8.83 35.88,8.57 35.88,7.81 35.62,7.56 32.96,7.56 32.7,7.81 32.7,9.21 32.57,9.33 29.27,9.33 28.89,8.95 28.38,8.95 28.26,9.08 28.26,10.35 27.75,10.86 27.75,12.25 26.86,13.14 26.86,14.92 27.11,15.18 27.11,15.94 27.37,16.19 31.18,16.19 32.57,14.79 33.21,14.79 33.97,14.03 35.37,14.03 35.62,14.29 35.62,21.14 34.61,22.16 34.61,27.62 36.38,29.4 39.69,29.4 42.48,32.19 45.02,32.19 45.27,31.94 45.27,30.42 44.89,30.03 44.39,30.03 43.88,29.53 43.88,28.13 43.37,27.62 41.34,27.62 40.19,26.48 40.19,25.84 41.08,24.95 43.5,24.95 43.75,24.7 45.91,24.7 46.29,24.32 46.29,21.91 45.4,21.02 45.4,19.37 45.91,18.86 48.2,18.86 48.45,18.6 48.45,17.21 49.72,15.94 49.72,13.65 50.86,12.51 54.16,12.51 55.56,11.11 55.56,6.29 58.74,3.11 60.77,3.11 63.05,5.4 71.06,5.4 71.56,5.9 71.56,6.54 73.98,8.95 78.17,8.95 82.61,13.4 86.68,13.4 95.31,22.03 95.31,30.54 95.44,30.67 99.12,30.67 99.38,30.42 99.38,0.7 99.25,0.57 92.9,0.57 92.9,1.33 84.64,1.33 84.64,0.57
GND on BOTTOM: 44.51,59.12 44.51,61.4 44.64,61.53 45.02,61.53 45.27,61.78 45.27,62.42 45.15,62.55 44.39,62.55 44.26,62.67 44.26,62.93 44.39,63.05 44.51,63.05 45.15,63.69 45.15,64.07 45.27,64.2 45.78,64.2 46.04,64.45 46.29,64.45 46.42,64.58 47.69,64.58 47.81,64.71 48.07,64.71 48.07,63.82 48.58,63.31 48.58,62.67 48.45,62.55 47.94,62.55 47.69,62.29 47.69,61.53 47.56,61.4 47.43,61.4 47.31,61.53 47.31,62.29 47.43,62.42 47.43,63.31 47.31,63.44 46.16,63.44 45.91,63.18 45.91,62.55 45.78,62.42 45.78,59.88 46.04,59.63 46.04,59.37 45.78,59.37 45.66,59.5 45.02,59.5 44.89,59.37 44.89,59.12
GND on BOTTOM: 12.76,56.96 12.25,56.45 12.25,55.18 12.13,55.05 11.24,55.05 11.11,55.18 11.11,57.34 12,58.23 12.64,58.23 12.76,58.1
GND on BOTTOM: 25.84,38.04 27.37,38.04 27.49,37.91 27.49,35.88 27.37,35.75 25.84,35.75 25.72,35.88 25.72,37.91
GND on BOTTOM: 62.17,87.06 62.17,88.33 62.42,88.58 64.96,88.58 65.09,88.45 65.09,86.04 64.96,85.91 63.31,85.91
